# Altium PCB IoT_Greenhouse V1.0 A.PcbDoc (part 2 of 2)
Units mm, origin at the board's own origin, x right, y up, seen from the top; angles counter-clockwise.
Board outline 130 x 80 mm, 2 copper layers (Top Layer, Bottom Layer), stack 1.569 mm thick; 101 components, 50 nets, 357 pads, 105 vias.
Unrouted connection lines stored in the file: 343.
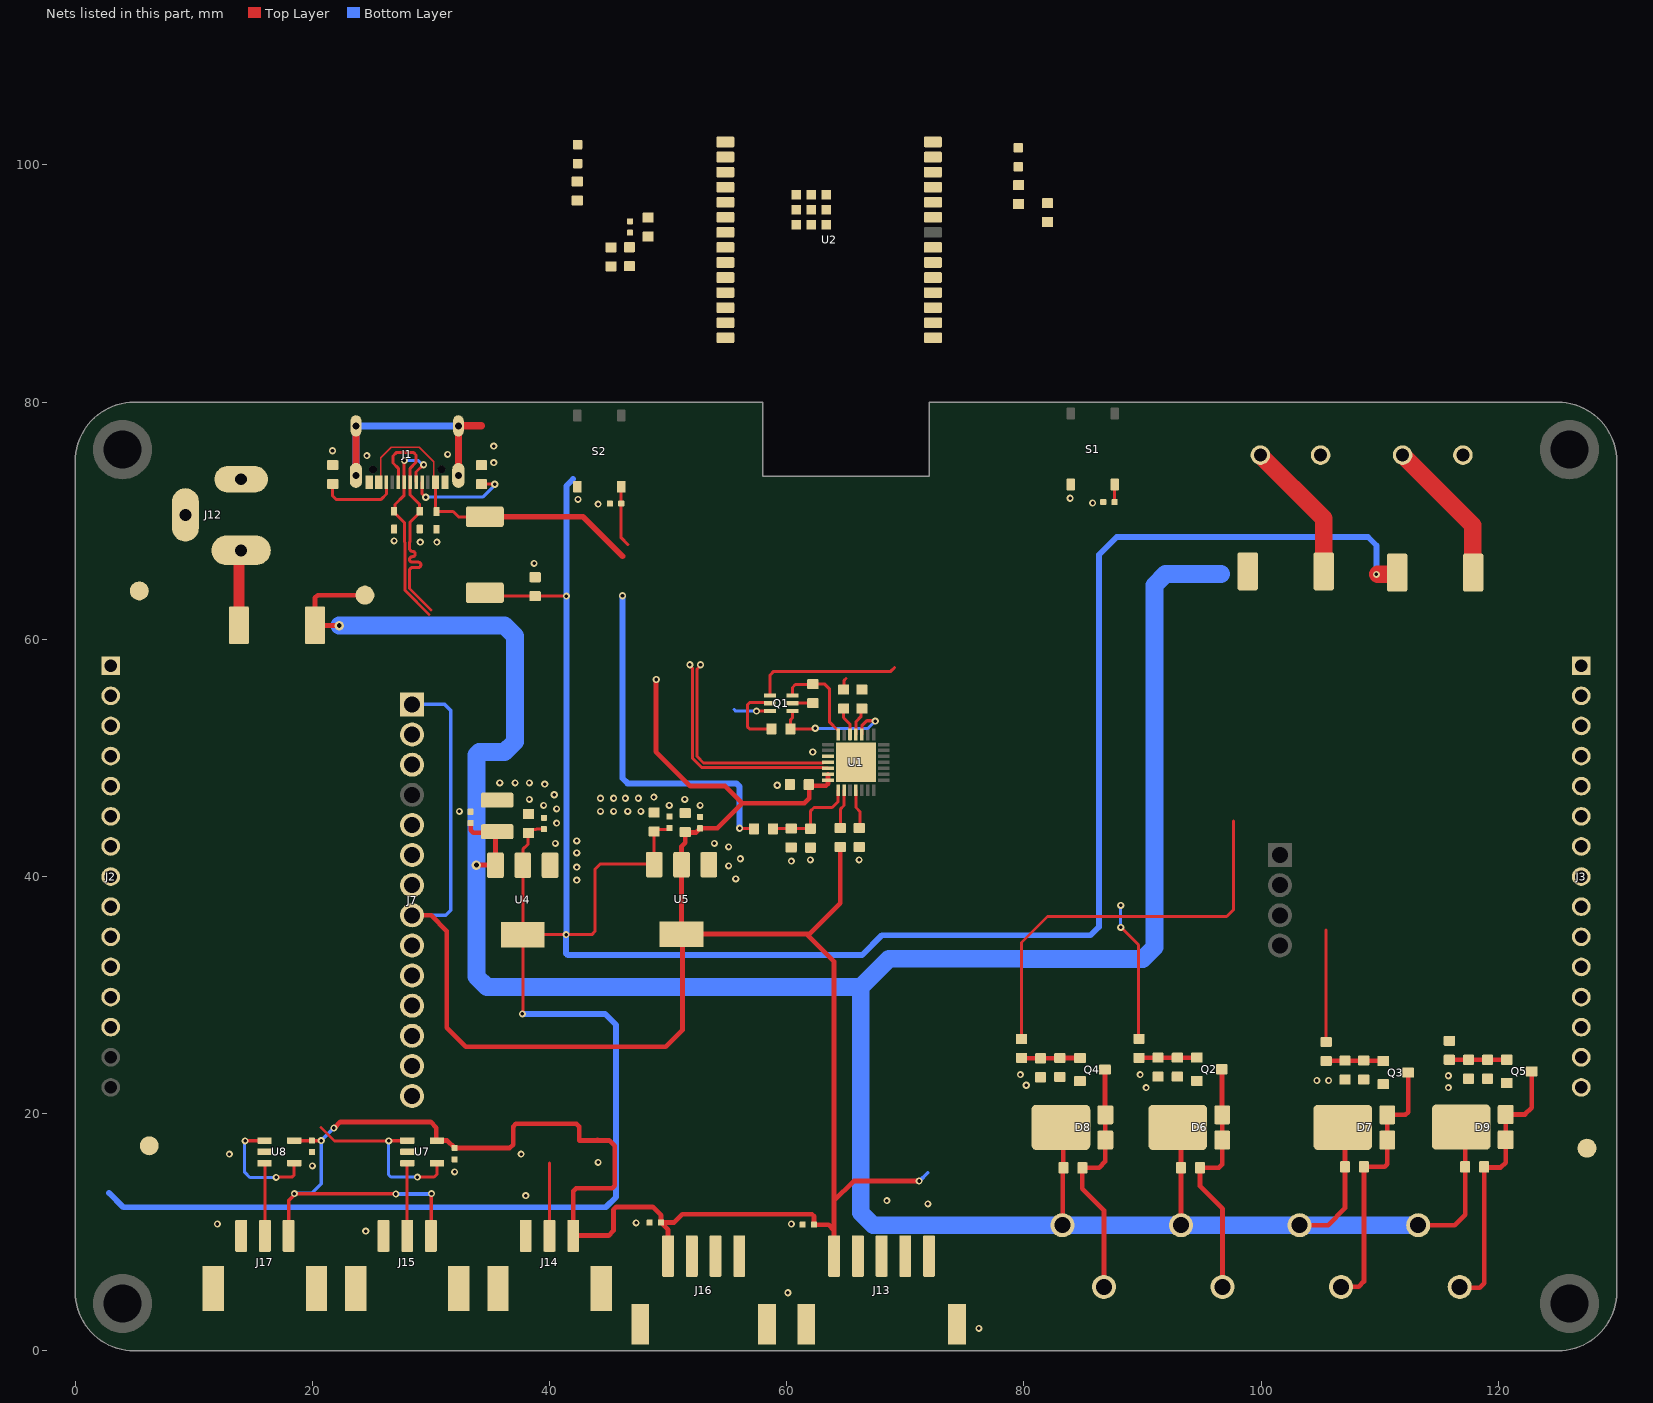
[diagram p2: the nets of this part, all layers, seen from the top]

## Part data (continued)
R15 R16 R17 R21: library part RES_10R_5%_100mW_0603, "SMD Chip Resistor, 10 Ohm, ± 5%, 100 mW, 0603 [1608 Metric], Thick Film, General Purpose", Case Code (Imperial)=0603, Case Code (Metric)=1608, Manufacturer=Yageo, Max Operating Temperature=155°C, Max Power Dissipation=100mW, Min Operating Temperature=-55°C, Resistance=10R, Resistance Tolerance=5%, Resistor Type="Thick Film", Supplier Part Number 1=311-10GRCT-ND, Temperature Coefficient=200ppm/°C, Voltage Rating=50V, Case/Package=0603, Category="Chip SMD Resistors", ComponentLink1Description=https://datasheet.ciiva.com/46395/443971-46395069.pdf?src-supplier=Element14, ComponentLink1URL=https://datasheet.ciiva.com/46395/443971-46395069.pdf?src-supplier=Element14, ComponentLink2Description=https://datasheet.ciiva.com/7746/443971-7746431.pdf?src-supplier=Element14, ComponentLink2URL=https://datasheet.ciiva.com/7746/443971-7746431.pdf?src-supplier=Element14, Construction=Rectangular, Depth=0.8mm, Features="Moisture Resistant", Lead Free="Lead Free", Length=1.6mm, Manufacturer Part Number=RC0603JR-0710RL, Military Standard=Not, Number of Pins=2, Number of Terminations=2, Packaging="Tape and Reel", Power Rating=100mW, Pricing 1="1=0.1, 10=0.024, 50=0.0154, 100=0.013, 500=0.00894, 1000=0.00773 (USD)", Reach SVHC Compliant=No, RoHS=Yes, RoHS Compliant=Yes, Series=RC, Size Code=0603, Stock 1=769777, Supplier 1=Digi-Key, Termination=SMD/SMT, Tolerance=5%, Voltage Rating (DC)=50V, Width=0.8mm
R18 R19 R20 R22: library part RES_100K_1%_100mW_0603, "RES SMD 100K OHM 1% 1/10W 0603", Case Code (Imperial)=0603, Case Code (Metric)=1608, Manufacturer=Yageo, Max Operating Temperature=155°C, Max Power Dissipation=100mW, Min Operating Temperature=-55°C, Resistance=100K, Resistance Tolerance=1%, Resistor Type="Thick Film", Supplier Part Number 1=311-100KHRDKR-ND, Temperature Coefficient=100ppm/°C, Voltage Rating=50V, Working Voltage=75V, Case/Package=0603, Category="Chip SMD Resistors", ComponentLink1Description=https://datasheet.ciiva.com/11808/0900766b80f96399-11808107.pdf?src-supplier=Rs, ComponentLink1URL=https://datasheet.ciiva.com/11808/0900766b80f96399-11808107.pdf?src-supplier=Rs, ComponentLink2Description=https://datasheet.ciiva.com/7983/443971-7983593.pdf?src-supplier=Element14, ComponentLink2URL=https://datasheet.ciiva.com/7983/443971-7983593.pdf?src-supplier=Element14, ComponentLink3Description=https://datasheet.ciiva.com/22747/443971-22747516.pdf?src-supplier=Element14, ComponentLink3URL=https://datasheet.ciiva.com/22747/443971-22747516.pdf?src-supplier=Element14, ComponentLink4Description=https://datasheet.ciiva.com/46440/1868787-46440889.pdf?src-supplier=Element14, ComponentLink4URL=https://datasheet.ciiva.com/46440/1868787-46440889.pdf?src-supplier=Element14, ComponentLink5Description=https://datasheet.ciiva.com/7746/1738695-7746235.pdf?src-supplier=Element14, ComponentLink5URL=https://datasheet.ciiva.com/7746/1738695-7746235.pdf?src-supplier=Element14, ComponentLink6Description=https://datasheet.ciiva.com/7746/1738695-7746234.pdf?src-supplier=Element14, ComponentLink6URL=https://datasheet.ciiva.com/7746/1738695-7746234.pdf?src-supplier=Element14, Construction=Rectangular, Depth=0.8mm, Features="Moisture Resistant", Height=0.45mm, Lead Free="Lead Free", Length=1.6mm, Manufacturer Part Number=RC0603FR-07100KL, Military Standard=Not, Number of Pins=2, Number of Terminations=2, Packaging="Tape and Reel", Power Rating=100mW, Pricing 1="1=0.10000, 10=0.01900, 100=0.00770, 1000=0.00345, 2500=0.00300 (USD)", Reach SVHC Compliant=Yes, RoHS=Yes, RoHS Compliant=Yes, Series=RC, Stock 1=11038732, Supplier 1=Digi-Key, Technology="THICK FILM", Termination=SMD/SMT, Tolerance=1%, Voltage Rating (DC)=50V, Width=0.8mm
R23: library part RES_130R_5%_100mW_0603, "Res Thick Film 0603 130 Ohm 5% 1/10W ±100ppm/°C Molded SMD SMD Paper T/R", Case Code (Imperial)=0603, Case Code (Metric)=1608, Manufacturer=Yageo, Max Operating Temperature=155°C, Max Power Dissipation=100mW, Min Operating Temperature=-55°C, Package Quantity=1, Resistence=130R, Resistor Type="Thick Film", Supplier Part Number 1=311-130GRCT-ND, Temperature Coefficient=100ppm/°C, Tolerance=5%, Voltage Rating=50V, Working Voltage=75V, Case/packcage=0603, Category="Chip SMD Resistors", ComponentLink1Description=https://datasheet.ciiva.com/2518/pyu-r-int-thick-7-2518866.pdf?src-supplier=Digi-Key, ComponentLink1URL=https://datasheet.ciiva.com/2518/pyu-r-int-thick-7-2518866.pdf?src-supplier=Digi-Key, ComponentLink2Description=https://datasheet.ciiva.com/2518/pyu-r-int-thick-7-2518865.pdf?src-supplier=Digi-Key, ComponentLink2URL=https://datasheet.ciiva.com/2518/pyu-r-int-thick-7-2518865.pdf?src-supplier=Digi-Key, ComponentLink3Description=https://datasheet.ciiva.com/8887/pyu-rc0603-51-rohs-l-4-8887501.pdf?src-supplier=Avnet, ComponentLink3URL=https://datasheet.ciiva.com/8887/pyu-rc0603-51-rohs-l-4-8887501.pdf?src-supplier=Avnet, Construction=Rectangular, Contact Plating=Tin,Matte, Depth=0.8mm, Features="Moisture Resistant", Height=0.022inch, Lead Free="Lead Free", Length=0.063inch, Manufacturer Part Number=RC0603JR-07130RL, Military Standard=Not, Number of Terminations=2, Packaging="Tape and Reel", Power Rating=100mW, Pricing 1="1=0.10000, 10=0.01600, 100=0.00640, 1000=0.00286, 2500=0.00248 (USD)", Radiation Hardening=No, RoHS=Yes, RoHS Compliant=Yes, Series=RC, Stock 1=487963, Supplier 1=Digi-Key, Supplier 2=Mouser, Supplier 3=Avnet, Supplier Part Number 2=603-RC0603JR-07130RL, Supplier Part Number 3=RC0603JR-07130RL, Termination=SMD/SMT, Voltage Rating (DC)=50V, Width=0.031inch
S1 S2: library part SWITCH_NO_SPST_0.05A, "Switch Tactile N.O. SPST Round Button Gull Wing 0.05A 12VDC 200000Cycles 2.55N SMD T/R", Manufacturer="ITT C&K", Supplier Part Number 1=CKN12221-6-ND, Category=Uncategorized, Manufacturer Part Number=PTS526SK15SMTR2LFS, Pricing 1="1=0.12, 10=0.12, 25=0.114, 100=0.1035, 250=0.09732, 500=0.08904, 1000=0.07454 (USD)", RoHS=No, Stock 1=382158, Supplier 1=Digi-Key
TP1 TP2 TP3 TP4: library part TP_PAD_SMD_Round, "Test Point, SMD pad, round, 1.5mm, 1.6mm, 3mm diameter"
U1: library part IC_BRIDGE_UART_CP2102N-A02-GQFN28R, "Full Speed USB to UART Bridge USB 2.0 3.3V T/R Automotive 28-Pin QFN EP", Case/Package=QFN, Manufacturer="Silicon Labs", Max Operating Temperature=85°C, Min Operating Temperature=-40°C, Operating Supply Current=9.5mA, Supplier Part Number 1=336-5890-1-ND, Category="USB Interface ICs", ComponentLink1Description=https://www.silabs.com/documents/public/data-sheets/cp2102n-datasheet.pdf?src-supplier=Digikey, ComponentLink1URL=https://www.silabs.com/documents/public/data-sheets/cp2102n-datasheet.pdf?src-supplier=Digikey, ComponentLink2Description=https://4donline.ihs.com/images/VipMasterIC/IC/SILC/SILC-S-A0007770867/SILC-S-A0007770867-1.pdf?hkey=6D3A4C79FDBF58556ACFDE234799DDF0&src-supplier=Farnell, ComponentLink2URL=https://4donline.ihs.com/images/VipMasterIC/IC/SILC/SILC-S-A0007770867/SILC-S-A0007770867-1.pdf?hkey=6D3A4C79FDBF58556ACFDE234799DDF0&src-supplier=Farnell, Interface=UART, Manufacturer Part Number=CP2102N-A02-GQFN28R, Packaging="Cut Tape", Pricing 1="1=4.66, 10=4.183, 25=3.954, 100=3.4269, 250=3.2512, 500=2.91728 (USD)", RoHS=Yes, Series=USBXpress™, Stock 1=29620, Supplier 1=Digikey
U2: library part IC_MODULE_ESP32-C6-WROOM-1-N4, "ESP32-C6-WROOM-1-N4 Engineering Module - 4 MB Quad SPI Flash", Manufacturer="Espressif Systems", Supplier Part Number 1=1965-ESP32-C6-WROOM-1-N4CT-ND, Category=LDO, Manufacturer Part Number=ESP32-C6-WROOM-1-N4, Pricing 1="1=2.85 (USD)", RoHS=No, Stock 1=4715, Supplier 1=Digikey
U4: library part IC_REG_LDO_5V_1A_AZ1117IH-5.0TRG1, "LDO Regulator Pos 5V 1A 3-Pin SOT-223 T/R", Case/Package=TO-261-4, Dropout Voltage=1.2V, Manufacturer=Diodes, Max Operating Temperature=125°C, Min Current Limit=1A, Min Operating Temperature=-40°C, Output Current=800mA, Output Voltage=5V, Supplier Part Number 1=AZ1117IH-5.0TRG1DIDKR-ND, Category="Voltage Regulators - Linear", ComponentLink1Description=https://www.diodes.com/assets/Datasheets/AZ1117I.pdf?src-supplier=Digi-Key, ComponentLink1URL=https://www.diodes.com/assets/Datasheets/AZ1117I.pdf?src-supplier=Digi-Key, Manufacturer Part Number=AZ1117IH-5.0TRG1, Mount="Surface Mount", Number of Regulators=1, Packaging="Tape and Reel", Pricing 1="1=0.40000, 10=0.32100, 25=0.29360, 100=0.21840, 250=0.19796, 500=0.16384, 1000=0.12288 (USD)", RoHS=Yes, RoHS Compliant=Yes, Stock 1=138078, Supplier 1=Digi-Key
U5: library part IC_REG_LDO_3.3V_1A_AP2114H-3.3TRG1, "IC REG LDO 3.3V 1A SOT223", Manufacturer=Diodes, Supplier Part Number 1=AP2114H-3.3TRG1DICT-ND, Category="Voltage Regulators - Linear", ComponentLink1Description=https://datasheet.ciiva.com/29569/ap2114-29569881.pdf?src-supplier=Digikey, ComponentLink1URL=https://datasheet.ciiva.com/29569/ap2114-29569881.pdf?src-supplier=Digikey, ComponentLink2Description=https://datasheet.ciiva.com/29569/ap2114-29569882.pdf?src-supplier=Digikey, ComponentLink2URL=https://datasheet.ciiva.com/29569/ap2114-29569882.pdf?src-supplier=Digikey, ComponentLink3Description=https://datasheet.ciiva.com/29569/ap2114-29569883.pdf?src-supplier=Digikey, ComponentLink3URL=https://datasheet.ciiva.com/29569/ap2114-29569883.pdf?src-supplier=Digikey, Manufacturer Part Number=AP2114H-3.3TRG1, Pricing 1="1=0.41, 10=0.332, 25=0.304, 100=0.2262, 250=0.20504, 500=0.16968, 1000=0.12726 (USD)", RoHS=Yes, Stock 1=34610, Supplier 1=Digikey
U7 U8: library part IC_AMP_OP_TLV2371IDBVT, "Single 550-uA/channel, 3MHz, RRIO op amp 5-SOT-23 -40 to 125", Case/Package=SOT-23, Dual Supply Voltage=5V, Input Bias Current=60pA, Input Offset Voltage (Vos)=4.5mV, Manufacturer="Texas Instruments", Max Dual Supply Voltage=8V, Max Operating Temperature=125°C, Max Supply Voltage=16V, Min Dual Supply Voltage=1.35V, Min Operating Temperature=-40°C, Min Supply Voltage=2.7V, Operating Supply Current=750uA, Output Current=16mA, Package Quantity=1, Power Dissipation=385mW, Power Supply Rejection Ratio (PSRR)=70dB, Supplier Part Number 1=296-26785-6-ND, Supply Current=900uA, Voltage Gain=110dB, Amplifier Type="GENERAL PURPOSE", Bandwidth=3MHz, Category="Amplifiers - Op Amps, Buffer, Instrumentation", Common Mode Rejection Ratio=50dB, ComponentLink1Description=https://datasheet.ciiva.com/34301/1096243-34301979.pdf?src-supplier=Jameco, ComponentLink1URL=https://datasheet.ciiva.com/34301/1096243-34301979.pdf?src-supplier=Jameco, ComponentLink2Description=https://datasheet.ciiva.com/1813/tlv2370-1813657.pdf?src-supplier=Digikey, ComponentLink2URL=https://datasheet.ciiva.com/1813/tlv2370-1813657.pdf?src-supplier=Digikey, ComponentLink3Description=https://datasheet.ciiva.com/1813/tlv2370-1813658.pdf?src-supplier=Digikey, ComponentLink3URL=https://datasheet.ciiva.com/1813/tlv2370-1813658.pdf?src-supplier=Digikey, ComponentLink4Description=https://datasheet.ciiva.com/1813/tlv2370-1813659.pdf?src-supplier=Digikey, ComponentLink4URL=https://datasheet.ciiva.com/1813/tlv2370-1813659.pdf?src-supplier=Digikey, ComponentLink5Description=https://datasheet.ciiva.com/2974/slos270d-2974406.pdf?src-supplier=Avnet, ComponentLink5URL=https://datasheet.ciiva.com/2974/slos270d-2974406.pdf?src-supplier=Avnet, ComponentLink6Description=https://datasheet.ciiva.com/2974/slos270d-2974407.pdf?src-supplier=Avnet, ComponentLink6URL=https://datasheet.ciiva.com/2974/slos270d-2974407.pdf?src-supplier=Avnet, ComponentLink7Description=https://datasheet.ciiva.com/22707/1877122-22707949.pdf?src-supplier=Element14, ComponentLink7URL=https://datasheet.ciiva.com/22707/1877122-22707949.pdf?src-supplier=Element14, ComponentLink8Description=https://datasheet.ciiva.com/46386/1877122-46386527.pdf?src-supplier=Element14, ComponentLink8URL=https://datasheet.ciiva.com/46386/1877122-46386527.pdf?src-supplier=Element14, ComponentLink9Description=https://datasheet.ciiva.com/7848/1877122-7848285.pdf?src-supplier=Element14, ComponentLink9URL=https://datasheet.ciiva.com/7848/1877122-7848285.pdf?src-supplier=Element14, Gain Bandwidth Product=3MHz, Height=1.15mm, Lead Free="Lead Free", Length=2.9mm, Manufacturer Part Number=TLV2371IDBVT, Max I/O Voltage=4.5mV, Nominal Gain Bandwidth Product=3MHz, Number of Amplifiers=1, Number of Channels=1, Number of Circuits=1, Number of Elements=1, Number of Pins=5, Operating Supply Voltage=8V, Output Current per Channel=16mA, Packaging="Tape and Reel", Pricing 1="1=1.65, 10=1.483, 25=1.3988, 100=1.1918 (USD)", Radiation Hardening=No, Reach SVHC Compliant=No, RoHS=Yes, RoHS Compliant=Yes, Series=-, Slew Rate=2.4V/µs, Stock 1=25753, Supplier 1=Digikey, Unity Gain Bandwidth Product=3MHz, Width=1.6mm

## Via types
v1: diameter 0.6, hole 0.3, Top Layer to Bottom Layer, tented both sides, 103 vias
v2: diameter 0.8, hole 0.4, Top Layer to Bottom Layer, tented both sides, 2 vias

## Nets (pads, with @x,y where several pads share a name; then routed paths per layer and width w, separated by ;. In a path a pad name is that pad's centre, name@x,y a point inside that pad or via, vN(x,y) a via of type N, cw(c..) or ccw(c..) an arc to the next point about the centre after c; other vN are vias at no path point)
3V3: C2.2 C5.2 C6.2 C23.2 C24.2 C26.2 C27.2 C28.2 C29.2 J2.1 J7.1 J7.8 J13.1 J14.1 J15.1 J16.1 J17.1 R10.2 R13.1 R14.1 TP3.1 U1.6 U1.7 U2.2 U5.2 U5.4 U7.5 U8.5 | length 257.4
  Top Layer w0.3: J17.1@18,9.7 18,12.689 18.491,13.181 v1(18.491,13.259) v1@27.102,13.259 ; U8.5@18.49,17.758 U8.5@18.471,17.739 18.478,17.733 19.958,17.733 19.963,17.728 20.751,17.728 v1(20.752,17.729) ; J15.1@30,9.7 30.024,9.724 30.024,13.235 v1(30.048,13.259)
  Top Layer w0.4: v1(21.819,18.796) 21.863,18.796 22.371,19.304 29.972,19.304 30.455,18.821 30.455,17.796 30.514,17.737 31.384,17.737 C26.2@32.004,17.117 ; J7.8@28.41,36.73 30.021,36.73 31.344,35.408 31.344,27.254 32.944,25.654 49.809,25.654 51.206,27.051 51.206,35.073 U5.4@51.13,35.15 ; C26.2@32.029,17.063 32.029,17.088 32.058,17.117 36.65,17.117 36.932,17.399 36.932,18.917 37.166,19.152 42.265,19.152 42.5,18.917 42.5,17.746 ; J14.1@42,9.7 42,13.482 42.234,13.716 45.288,13.716 45.491,13.919 45.491,17.297 45.037,17.752 44.066,17.752 44.044,17.729 ; J14.1@42.113,9.728 44.983,9.728 45.39,10.135 45.39,11.907 45.624,12.141 48.692,12.141 49.4,11.433 C29.2@49.4,10.82 50,10.221 J16.1@50,8 ; 42.5,17.739 42.5,17.746 ; 44.044,17.805 43.984,17.746 42.5,17.746 ; v1@48.971,56.642 48.971,50.521 51.867,47.625 54.813,47.625 56.261,46.177 ; C29.2@49.479,10.795 49.504,10.82 50.495,10.82 51.206,11.532 62.128,11.532 62.304,11.356 C27.2@62.304,10.643 63.525,10.643 63.983,10.185 ; C24.2@51.435,43.586 51.435,42.85 51.13,42.545 U5.2@51.13,41 U5.4@51.13,35.15 ; C24.2@51.486,43.713 52.347,43.713 C23.2@52.705,44.072 54.155,44.072 56.261,46.177 ; C2.2@61.874,47.752 C2.2@61.9,47.727 ; U1.7@63.487,48.132 63.487,47.826 63.311,47.65 61.976,47.65 C2.2@61.9,47.727 ; U1.7@63.487,48.196 U1.6@63.487,48.632 ; J13.1@63.983,8.204 63.983,10.185 ; J13.1@64,8 J13.1@64,8.204 ; R10.2@64.516,42.507 64.516,37.744 61.921,35.15 61.675,35.15 ; v1(71.171,14.326) 65.659,14.326 63.983,12.649 ; U5.4@51.13,35.15 61.675,35.15 ; 56.261,46.177 61.493,46.177 61.9,46.584 C2.2@61.9,47.727 ; 61.675,35.15 63.983,32.842 63.983,12.649 ; 63.983,10.185 63.983,12.649
  Bottom Layer w0.3: v1@18.466,13.284 19.939,13.284 20.752,14.097 v1(20.752,17.729) ; v1@20.803,17.704 20.803,17.78 v1(21.819,18.796) ; v1(27.051,13.233) v1@30.048,13.233 ; J7.8@28.41,36.73 31.244,36.73 31.674,37.16 31.674,54 31.164,54.51 J7.1@28.41,54.51 ; v1@71.196,14.326 71.882,15.011
  other v1: 48.997,56.617
5V: C1.2 C19.2 C20.2 C21.2 C22.2 D1.1 D12.1 J3.1 R23.1 TP2.1 U4.2 U4.4 U5.3 | length 257
  Top Layer w0.254: D1.1@34.544,63.927 34.831,63.64 C1.2@38.786,63.64 38.792,63.646 41.421,63.646 v1(41.427,63.652) ; U4.2@37.694,40.869 37.744,40.818 U4.4@37.744,35.099 ; v1@37.744,28.362 U4.4@37.744,35.099 ; U4.2@37.744,40.949 37.744,42.291 38.202,42.748 C19.2@38.202,43.764 ; C19.2@38.227,43.675 38.525,43.973 38.868,43.973 38.887,43.993 C20.2@39.472,43.993 ; U5.3@48.743,41.072 44.298,41.072 43.84,40.615 43.84,35.382 43.561,35.103 37.748,35.103 U4.4@37.744,35.099 ; U5.3@48.819,41.072 C21.2@48.819,43.802 ; C21.2@48.844,43.739 49.075,43.97 49.987,43.97 C22.2@50.114,44.097 ; D12.1@111.332,65.489 D12.1@111.476,65.634
  Top Layer w1.5: v1@109.83,65.489 D12.1@111.332,65.489
  Bottom Layer w0.5: 2.87,13.31 4.064,12.116 44.755,12.116 45.618,12.979 45.618,27.483 44.679,28.423 v1(37.719,28.423) ; 41.986,73.508 41.427,72.949 v1(41.427,63.652) 41.415,63.64 41.415,35.116 v1(41.402,35.103) 41.402,33.524 41.551,33.376 66.345,33.376 68.021,35.052 85.623,35.052 86.335,35.763 86.335,67.132 87.833,68.631 109.017,68.631 109.728,67.92 v1(109.728,65.481)
12V: C9.2 C10.2 C11.2 C15.2 C17.2 C18.2 D6.K D7.K D8.K D9.K D10.1 D11.1 J4.1 J5.1 J6.1 J8.1 TP1.1 U4.3 | length 264.5
  Top Layer w0.4: v2(22.276,61.163) 20.248,61.163 D11.1@20.223,61.189 20.223,63.494 20.457,63.729 TP1.1@24.435,63.729 ; C18.2@33.35,44.503 33.35,43.922 33.585,43.688 C17.2@35.484,43.688 ; v2(33.833,40.97) 34.976,40.97 U4.3@35.255,41.25 ; U4.3@35.444,41.25 35.444,43.639 C17.2@35.585,43.78 ; D8.K@83.118,18.845 83.325,18.638 C11.2@83.325,15.443 83.287,15.406 83.287,10.637 J6.1@83.25,10.6 ; D6.K@92.973,18.845 93.256,18.562 C9.2@93.256,15.443 93.253,15.44 93.253,10.603 J4.1@93.25,10.6 ; D10.1@98.649,65.507 D10.1@98.878,65.735 ; J5.1@103.25,10.6 105.647,10.6 107.074,12.027 C10.2@107.074,15.519 107.074,18.664 D7.K@106.892,18.845 ; J8.1@113.25,10.6 116.315,10.6 117.208,11.494 C15.2@117.208,15.519 117.208,18.537 D9.K@116.875,18.87
  Bottom Layer w1.5: v2(22.276,61.163) 36.205,61.163 37.084,60.285 37.084,51.374 36.205,50.495 34.067,50.495 33.833,50.261 v2(33.833,40.97) 33.833,31.572 34.722,30.683 66.243,30.683 ; 79.883,33.045 90.018,33.045 91.008,34.036 91.008,64.567 91.948,65.507 96.622,65.507 ; 79.934,33.071 68.631,33.071 66.243,30.683 ; J6.1@83.236,10.465 83.101,10.6 67.302,10.6 66.243,11.659 66.243,30.683 ; J6.1@83.25,10.6 93.099,10.6 J4.1@93.193,10.693 ; J4.1@93.25,10.6 103.132,10.6 J5.1@103.149,10.617 ; J5.1@103.25,10.6 J8.1@113.25,10.6 113.403,10.6 J8.1@113.462,10.541
AIN_1: J15.2 U7.3 | length 6.1
  Top Layer w0.254: J15.2@28,9.7 28,15.829 U7.3@28.011,15.839
AIN_2: J17.2 U8.3 | length 6.2
  Top Layer w0.254: U8.3@15.971,15.839 16,15.811 J17.2@16,9.7
CHIP_PU: C4.2 C8.1 J2.12 Q1.3 R13.2 S2.3 U2.3 | length 8.2
  Top Layer w0.254: S2.3@46.047,72.869 46.047,71.451 46.048,68.557 46.622,67.983 ; v1(57.455,53.95) 57.46,53.955 58.577,53.955 Q1.3@58.583,53.96
  Bottom Layer w0.254: 55.55,54.098 55.699,53.95 v1(57.455,53.95)
DM_N: D2.1 J1.A7 J1.B7 U1.5 | length 37.9
  Top Layer w0.254: v1@27.737,75.108 27.75,75.095 J1.A7@27.75,73.25 27.75,72.149 26.966,71.366 26.966,70.871 D2.1@26.899,70.803 26.899,70.693 27.788,69.804 27.788,68.195 27.813,68.17 27.813,64.13 29.84,62.103 ; J1.B7@28.75,73.25 28.75,74.114 v1@29.369,74.734 ; v1(51.841,57.861) 51.841,57.768 52.07,57.539 52.07,49.956 52.835,49.191 63.077,49.191 63.137,49.132 U1.5@63.487,49.132
  Bottom Layer w0.254: v1(27.762,75.082) 28.939,75.082 29.269,74.752 v1@29.413,74.752
  other v1: 29.388,74.727
DM_P: D3.1 J1.A6 J1.B6 U1.4 | length 40.5
  Top Layer w0.254: J1.B6@27.25,73.25 27.25,74.426 26.797,74.879 26.797,75.463 27.076,75.743 28.547,75.743 28.75,75.54 28.75,74.926 ; 28.753,74.905 28.729,74.905 28.25,74.426 J1.A6@28.25,73.25 28.25,72.182 29.028,71.404 29.028,70.833 D3.1@29.058,70.803 29.058,70.693 28.219,69.855 28.219,68.364 28.219,68.229 28.194,68.203 28.194,67.675 ccw(c28.448,67.675) 28.448,67.421 cw(c28.448,67.194) 28.448,66.967 28.421,66.967 ccw(c28.421,66.74) 28.421,66.513 28.927,66.513 cw(c28.927,66.286) 28.927,66.059 28.448,66.059 ccw(c28.448,65.805) 28.194,65.805 28.194,65.224 28.194,64.287 29.997,62.484 ; v1(52.73,57.861) 52.73,57.787 52.451,57.508 52.451,50.114 52.993,49.572 63.077,49.572 63.137,49.632 U1.4@63.487,49.632
DTR: Q1.6 R3.2 U1.28 | length 7.7
  Top Layer w0.254: Q1.6@60.493,55.26 60.493,55.946 60.731,56.185 R3.2@62.128,56.185 ; R3.2@62.205,56.223 63.208,56.223 63.627,55.804 63.627,53.01 U1.28@64.287,52.349
G_FAN: C12.2 Q2.1 R15.2 R18.2 | length 4.9
  Top Layer w0.4: R15.2@89.713,24.714 89.719,24.72 91.307,24.72 R18.2@91.313,24.727 C12.2@92.939,24.727 C12.2@92.939,24.727 94.58,24.728 Q2.1@94.581,24.729
G_HET: C13.2 Q3.1 R16.2 R19.2 | length 4.8
  Top Layer w0.4: R16.2@105.486,24.448 105.499,24.46 107.074,24.46 R19.2@107.086,24.473 C13.2@108.661,24.473 108.673,24.461 110.292,24.461 Q3.1@110.304,24.45
G_PUMP: C14.2 Q4.1 R17.2 R20.2 | length 4.9
  Top Layer w0.4: R17.2@79.807,24.702 79.82,24.689 81.394,24.689 R20.2@81.407,24.676 81.42,24.689 83.02,24.689 C14.2@83.033,24.701 C14.2@83.033,24.701 84.725,24.703 Q4.1@84.726,24.704
GND: C1.1 C2.1 C3.1 C4.1 C5.1 C6.1 C7.2 C8.2 C12.1 C13.1 C14.1 C16.1 C17.1 C18.1 C19.1 C20.1 C21.1 C22.1 C23.1 C24.1 C26.1 C27.1 C28.1 C29.1 D2.2 D3.2 D4.2 D5.1 D13.1 J1.A1_B12 J1.B1_A12 J1.SH1 J1.SH2 J1.SH3 J1.SH4 J2.2 J3.2 J7.2 J10.2 J11.2 J12.2 J12.3 J13.0 J13.2 J13.5 J14.3 J14.SH J15.3 J15.SH J16.0 J16.2 J17.3 J17.SH Q2.2 Q3.2 Q4.2 Q5.2 R5.1 R6.1 R8.2 R11.1 R18.1 R19.1 R20.1 R22.1 S1.1 S2.1 TP4.1 U1.3 U1.29 U2.1 U2.28 U2.29 U2.30 U2.31 U2.32 U2.33 U2.34 U2.35 U2.36 U2.37 U4.1 U5.1 U7.2 U8.2 | length 27.5
  Top Layer w0.254: J1.SH3@32.233,78.003 J1.SH3@32.245,78.016
  Top Layer w0.6: J1.SH2@23.68,73.82 J1.SH4@23.68,78 ; J1.SH3@32.245,78.016 34.265,78.016 ; J1.SH1@32.32,73.82 J1.SH3@32.32,78
  Bottom Layer w0.3: J1.SH4@23.597,78.054 J1.SH4@23.68,77.971 ; J1.SH3@32.128,78 J1.SH3@32.182,78.054 ; J1.SH1@32.233,73.736 J1.SH1@32.32,73.824
  Bottom Layer w0.6: J1.SH2@23.68,73.82 J1.SH4@23.68,77.971 ; J1.SH4@23.68,78 J1.SH3@32.128,78 ; J1.SH1@32.32,73.824 J1.SH3@32.32,78
  other v1: 76.2,1.9 60.1,4.9 24.5,10.1 12,10.7 60.4,10.7 47.3,10.8 71.9,12.4 38,13.1 32,15.1 20,15.6 44.1,15.9 13,16.6 37.6,16.6 90.3,22.2 115.8,22.2 80.2,22.4 104.7,22.8 105.7,22.8 115.8,23.2 79.7,23.3 89.8,23.3 42.3,39.7 55.7,39.8 42.3,40.8 55.1,40.9 60.4,41.3 62,41.4 66.1,41.4 56.1,41.5 42.3,42 55.1,42.5 40.5,42.8 53.9,42.8 42.3,43 40.6,44.5 32.4,45.5 44.3,45.5 45.4,45.5 46.6,45.5 47.7,45.5 40.6,45.7 39.5,46 50.1,46 52.7,46 38.3,46.5 51.4,46.5 44.3,46.6 45.4,46.6 46.4,46.6 47.5,46.6 48.8,46.7 40.4,46.9 59.2,47.7 39.6,47.8 35.8,47.9 37.1,47.9 38.3,47.9 62.2,50.5 38.7,66.4 29.1,68.2 30.5,68.2 26.9,68.3 44.1,71.4 85.8,71.5 42.4,71.8 83.9,71.9 35.3,74.9 24.6,75.5 31.4,75.6 21.7,75.9 35.3,76.3
GPIO0: J2.3 U2.8
GPIO1: J2.4 U2.9
GPIO2: J2.5 J2.6 J2.7 J2.8 J3.3 J3.4 J3.5 J3.6 J14.2 J16.3 J16.4 R15.1 R16.1 R17.1 R21.1 U2.4 U2.5 U2.18 U2.19 U2.20 U2.21 U2.26 U2.27 U7.1 U7.4 U8.1 U8.4 | length 41.3
  Top Layer w0.254: v1(14.326,17.704) 14.343,17.722 15.953,17.722 U8.1@15.971,17.739 ; v1@16.815,14.681 18.313,14.681 18.471,14.839 U8.4@18.471,15.839 ; 20.726,18.847 21.869,17.704 v1@26.416,17.704 ; v1(26.441,17.704) 26.459,17.722 27.993,17.722 U7.1@28.011,17.739 ; v1(28.854,14.656) 30.277,14.656 30.511,14.89 U7.4@30.511,15.839 ; J14.2@40,9.7 40,15.839 ; R16.1@105.486,26.048 105.486,35.509
  Bottom Layer w0.254: v1@14.313,17.716 v1(14.326,17.704) 14.3,17.678 14.3,15.062 14.732,14.63 v1(16.942,14.63) ; v1(26.441,17.704) 26.416,17.704 26.416,14.859 26.619,14.656 v1(28.854,14.656)
GPIO6: J2.9 J13.4 U2.6
GPIO7: J2.13 J13.3 U2.7
GPIO8: J3.15 R12.1 R14.2 U2.10
GPIO9: C7.1 J3.14 J7.5 Q1.1 S1.3 U2.15 | length 14
  Top Layer w0.254: Q1.1@58.583,55.26 58.583,56.982 58.903,57.302 68.783,57.302 69.088,57.607 ; C7.1@87.653,71.577 C7.1@87.653,71.577 87.654,73.049 S1.3@87.655,73.05
  other v1: 68.453,12.675
GPIO10: J3.13 J7.3 U2.11 | length 11.8
  Top Layer w0.254: v1@88.183,35.718 89.662,34.239 89.662,26.365
  Top Layer w0.4: 89.662,26.365 89.713,26.314
  Bottom Layer w0.254: v1(88.163,35.712) v1@88.163,37.484
  other v1: 88.163,37.567
GPIO11: J3.12 J7.6 J7.12 U2.12
GPIO12: J3.11 J7.7 J7.10 U2.13
GPIO13: J3.10 J7.9 J7.13 U2.14
GPIO15: J3.9 J7.14 U2.23
GPIO18: J3.8 J7.11 U2.16
GPIO19: J3.7 U2.17 | length 34.6
  Top Layer w0.254: 79.807,26.302 79.807,34.442 81.991,36.627 97.104,36.627 97.663,37.186 97.663,44.679
NetC3_2: C3.2 R9.2 R11.2 U1.8 | length 8
  Top Layer w0.254: R9.2@59.03,44.018 59.068,44.056 R11.2@60.376,44.056 ; R11.2@60.427,44.018 60.452,44.043 61.989,44.043 C3.2@62.001,44.031 ; C3.2@62.027,44.094 62.027,45.542 62.306,45.822 63.83,45.822 64.337,46.328 U1.8@64.337,47.282
NetC9_1: C9.1 D6.A J4.2 Q2.3 | length 20.9
  Top Layer w0.4: Q2.3@96.681,23.749 96.702,23.728 96.702,19.931 D6.A@96.723,19.91 D6.A@96.723,17.78 96.723,15.723 96.444,15.443 C9.1@94.856,15.443 94.856,13.881 96.75,11.987 J4.2@96.75,5.4
NetC10_1: C10.1 D7.A J5.2 Q3.3 | length 23.2
  Top Layer w0.4: J5.2@106.75,5.4 108.219,5.4 108.674,5.855 C10.1@108.674,15.519 110.408,15.519 110.642,15.754 D7.A@110.642,17.78 D7.A@110.642,19.91 112.169,19.91 112.404,20.144 Q3.3@112.404,23.47
NetC11_1: C11.1 D8.A J6.2 Q4.3 | length 20.7
  Top Layer w0.4: J6.2@86.75,5.4 86.75,11.853 84.925,13.678 C11.1@84.925,15.443 86.335,15.443 86.868,15.977 D8.A@86.868,17.78 D8.A@86.868,19.91 86.847,19.931 86.847,23.703 Q4.3@86.826,23.724
NetC15_1: C15.1 D9.A J8.2 Q5.3 | length 23.6
  Top Layer w0.4: J8.2@116.75,5.4 116.816,5.334 118.44,5.334 118.808,5.702 C15.1@118.808,15.519 118.859,15.469 120.218,15.469 120.625,15.875 D9.A@120.625,17.805 D9.A@120.625,19.935 122.247,19.935 122.818,20.506 Q5.3@122.818,23.571
NetC16_2: C16.2 Q5.1 R21.2 R22.2 | length 4.8
  Top Layer w0.4: R21.2@115.875,24.549 R22.2@117.5,24.549 ; R22.2@117.5,24.549 C16.2@119.101,24.549 C16.2@119.101,24.549 120.716,24.55 Q5.1@120.718,24.551
NetD5_2: D5.2 R12.2
NetD10_2: D10.2 J10.1 | length 12
  Top Layer w1.5: J10.1@99.937,75.534 105.288,70.184 D10.2@105.288,65.735
NetD11_2: D11.2 J12.1 | length 6.4
  Top Layer w0.9: D11.2@13.813,61.189 13.813,67.313 J12.1@14,67.5
NetD12_2: D12.2 J11.1 | length 12.4
  Top Layer w0.9: D12.2@117.856,65.664 D12.2@117.886,65.634
  Top Layer w1.5: J11.1@111.937,75.534 117.856,69.615 D12.2@117.856,65.664
NetD13_2: D13.2 R23.2
NetJ1_A5: J1.A5 R6.2 | length 8.9
  Top Layer w0.254: J1.A5@29.25,73.25 29.25,72.274 v1@29.616,71.907 ; R6.2@34.265,73.089 34.271,73.082 35.376,73.082 v1(35.382,73.076)
  Bottom Layer w0.254: v1(29.566,71.984) 34.366,71.984 35.382,73 v1(35.382,73.076)
NetJ1_B5: J1.B5 R5.2 | length 6.8
  Top Layer w0.254: R5.2@21.717,73.089 21.717,72.085 21.996,71.806 25.806,71.806 26.25,72.249 J1.B5@26.25,73.25
NetQ1_2: Q1.2 R4.1 | length 5.9
  Top Layer w0.254: Q1.2@58.598,54.61 58.545,54.663 56.863,54.663 56.715,54.514 56.715,52.6 56.863,52.451 R4.1@58.712,52.451
NetQ1_5: Q1.5 R3.1 | length 1.9
  Top Layer w0.254: Q1.5@60.493,54.61 60.499,54.616 62.363,54.616 R3.1@62.382,54.635
NetR1_2: R1.2 U1.26 | length 2.4
  Top Layer w0.254: R1.2@64.795,54.204 R1.2@64.795,54.166 64.795,53.391 65.337,52.849 U1.26@65.337,51.982
NetR2_2: R2.2 U1.25 | length 2.4
  Top Layer w0.254: U1.25@65.837,51.982 65.837,53.061 66.285,53.508 66.285,54.169 R2.2@66.294,54.178
NetR8_1: R8.1 U1.11 | length 3.2
  Top Layer w0.254: U1.11@65.837,47.282 65.837,45.822 66.167,45.491 R8.1@66.167,44.196
NetR10_1: R10.1 U1.9 | length 3.3
  Top Layer w0.254: R10.1@64.516,44.107 64.516,45.669 64.837,45.99 U1.9@64.837,47.282
RTS: Q1.4 R4.2 U1.24 | length 11.1
  Top Layer w0.254: R4.2@60.223,52.349 60.3,52.426 60.3,53.188 60.493,53.381 Q1.4@60.493,53.96 ; R4.2@60.312,52.451 62.408,52.451 v1@62.433,52.476 ; U1.24@66.337,51.982 66.337,52.722 66.751,53.137 v1@67.412,53.137
  Bottom Layer w0.254: v1(62.408,52.502) 66.853,52.502 v1@67.437,53.086
  other v1: 67.462,53.111
UART_RXD: J2.10 R1.1 U2.24 | length 1
  Top Layer w0.254: R1.1@64.795,55.766 64.846,55.816 64.846,56.544 64.995,56.693
UART_TXD: J2.11 R2.1 U2.25
VBUS: D1.2 D4.1 J1.A4_B9 J1.B4_A9 R9.1 | length 59.4
  Top Layer w0.15: J1.B4_A9@25.6,73.25 25.771,73.421 25.771,75.301 26.669,76.199 29.008,76.199 30.229,74.978 30.229,73.421 J1.A4_B9@30.4,73.25
  Top Layer w0.254: J1.A4_B9@30.4,73.25 30.4,70.858 D4.1@30.48,70.778 31.879,70.778 32.32,70.337 D1.2@34.544,70.337 ; v1(56.032,44.069) 57.188,44.069 R9.1@57.239,44.018
  Top Layer w0.5: D1.2@34.544,70.337 42.82,70.337 46.152,67.005
  Bottom Layer w0.254: v1@56.032,43.942 v1(56.032,44.069)
  Bottom Layer w0.5: v1(46.152,63.678) 46.152,48.285 46.584,47.854 55.753,47.854 56.032,47.574 v1(56.032,44.069)
pads on no net: H1.1 H2.1 H3.1 H4.1 J1. J1.A8 J1.B8 J2.14 J2.15 J7.4 J9.1 J9.2 J9.3 J9.4 S1.2 S1.4 S2.2 S2.4 U1.1 U1.2 U1.10 U1.12 U1.13 U1.14 U1.15 U1.16 U1.17 U1.18 U1.19 U1.20 U1.21 U1.22 U1.23 U1.27 U2.22
copper on no net: | length 25.9
  Top Layer w0.254: v1@38.448,17.722 39.982,17.722 ; v1(40.843,14.656) 42.266,14.656 42.5,14.89 42.5,15.839
  Bottom Layer w0.254: 23.444,19.482 23.927,18.999 29.413,18.999 31.369,17.043 35.458,17.043 36.119,17.704 v1@38.405,17.704 ; v1(38.43,17.704) v1@38.405,17.704 ; v1(40.843,14.656) 38.608,14.656 38.405,14.859 v1@38.405,17.704
  other v1: 69.342,12.675

## Polygon pours and split planes (outlines as drawn)
5V on Top Layer "5V_L01_P016" (solid, remove dead copper, pour order 16): 31.115,65.126 31.115,63.017 31.344,62.789 41.58,62.789 41.758,62.967 41.758,64.135 41.427,64.465 37.617,64.465 36.779,65.303 31.293,65.303
VBUS on Top Layer "VBUS_L01_P015" (solid, remove dead copper, pour order 15): 25.171,72.466 25.197,72.441 25.959,72.441 25.959,75.235 26.721,75.997 28.905,75.997 30.048,74.854 30.048,70.206 30.226,70.028 31.064,70.028 31.369,69.723 31.369,68.707 32.233,67.843 37.516,67.843 37.694,68.021 37.694,71.603 37.186,72.111 31.191,72.111 30.785,72.517 30.785,77.292 30.505,77.572 25.451,77.572 25.171,77.292
NetC15_1 on Top Layer "NETC15_1_L01_P014" (solid, remove dead copper, pour order 14): 122.174,25.248 122.174,21.412 119.71,21.412 119.71,16.891 119.38,16.561 118.237,16.561 118.11,16.434 118.11,14.961 117.881,14.732 117.881,9.169 116.586,7.874 115.773,7.874 115.265,7.366 115.265,-0.025 120.726,-0.025 120.726,6.756 124.231,10.262 124.231,20.015 124.231,25.248
NetC10_1 on Top Layer "NETC10_1_L01_P013" (solid, remove dead copper, pour order 13): 111.76,25.07 111.76,21.539 109.83,21.539 109.83,16.993 109.398,16.561 108.382,16.561 108.077,16.256 108.077,10.744 105.131,7.798 105.131,-0.051 110.871,-0.051 110.871,13.411 113.614,13.411 113.614,25.07
NetC9_1 on Top Layer "NetC11_1" (solid, remove dead copper, pour order 12): 96.106,25.4 96.106,16.662 95.903,16.459 94.48,16.459 94.252,16.231 94.252,11.963 95.293,10.922 95.293,0 99.103,0 99.103,22.911 98.519,23.495 98.519,25.375 98.494,25.4
NetC11_1 on Top Layer "NetC11_1" (solid, remove dead copper, pour order 11): 86.106,25.4 86.106,16.662 85.903,16.459 84.48,16.459 84.252,16.231 84.252,11.963 85.293,10.922 85.293,0 89.103,0 89.103,22.911 88.519,23.495 88.519,25.375 88.494,25.4
12V on Top Layer "12V_L01_P010" (solid, remove dead copper, pour order 10): 114.021,21.438 114.021,13.03 111.277,13.03 111.277,-0.025 111.303,-0.051 114.986,-0.051 114.986,7.468 115.57,8.052 116.383,8.052 117.678,9.347 117.678,14.808 117.881,15.011 117.881,16.612 118.008,16.739 119.202,16.739 119.431,16.967 119.431,21.438
12V on Top Layer "12V_L01_P009" (solid, remove dead copper, pour order 9): 103.988,21.539 103.988,13.335 103.81,13.157 99.492,13.157 99.492,-0.051 99.517,-0.025 104.724,-0.025 104.724,7.95 107.747,10.973 107.747,16.358 108.255,16.866 109.245,16.866 109.576,17.196 109.576,21.539
12V on Top Layer "12V_L01_P008" (solid, remove dead copper, pour order 8): 89.477,21.463 89.477,21.438 89.477,-0.025 94.938,-0.025 94.938,10.871 93.998,11.811 93.998,16.485 94.226,16.713 95.496,16.713 95.7,16.916 95.7,21.438 95.725,21.463
12V on Top Layer "12V_L01_P007" (solid, remove dead copper, pour order 7): 79.477,21.463 79.477,21.438 79.477,-0.025 84.938,-0.025 84.938,10.871 83.998,11.811 83.998,16.485 84.226,16.713 85.496,16.713 85.7,16.916 85.7,21.438 85.725,21.463
3V3 on Top Layer "3V3_L01_P006" (solid, remove dead copper, pour order 6): 50.749,44.399 50.749,43.231 50.317,42.799 50.317,39.675 50.013,39.37 48.082,39.37 47.727,39.014 47.727,28.981 48.489,28.219 54.915,28.219 55.524,28.829 55.524,38.913 54.966,39.472 52.553,39.472 52.324,39.7 52.324,42.52 53.188,43.383 53.188,44.552 50.902,44.552
5V on Top Layer "5V_L01_P005" (solid, remove dead copper, pour order 5): 41.504,39.014 41.3,38.811 41.3,28.118 46.38,28.118 47.269,29.007 47.269,39.395 47.625,39.751 49.657,39.751 49.809,39.903 49.809,42.799 50.444,43.434 50.444,44.425 50.317,44.552 43.917,44.552 43.612,44.247 43.612,39.141 43.485,39.014
5V on Top Layer "5V_L01_P004" (solid, remove dead copper, pour order 4): 37.465,44.272 37.465,42.824 36.855,42.215 36.855,39.192 36.525,38.862 33.35,38.862 33.147,38.659 33.147,28.423 33.477,28.092 41.326,28.092 41.961,28.727 41.961,38.71 41.656,39.014 39.091,39.014 38.684,39.421 38.684,41.986 39.548,42.85 40.044,43.346 40.044,44.45 37.643,44.45
12V on Top Layer "12V_L01_P002" (solid, remove dead copper, pour order 2): 31.902,39.522 32.106,39.319 36.195,39.319 36.398,39.522 36.398,42.393 37.084,43.078 37.084,44.856 36.855,45.085 34.392,45.085 34.214,44.907 32.029,44.907 31.902,44.78
12V on Top Layer "12V_L01_P001" (solid, remove dead copper, pour order 1): 17.247,68.377 17.247,56.54 17.78,56.007 19.355,56.007 25.476,62.128 26.441,62.128 27.28,62.967 27.28,66.853 24.968,69.164 22.377,69.164 18.034,69.164
NetD11_2 on Top Layer "NETD11_2_L01_P000" (solid, remove dead copper, pour order 0): 7.95,67.183 7.95,56.49 8.534,55.905 16.154,55.905 16.764,56.515 16.764,68.402 15.824,69.342 11.887,69.342 9.982,67.437 8.204,67.437

## Silkscreen, mask and mechanical layers (free items; w line width, h text height)
Top Overlay:
  text "12V" at 20.12,76.883 h1 r90
  text "EN" at 40.821,75.054 h1 r90
  text "BOOT" at 90.224,74.317 h1 r90
  text "5V" at 110.969,69.821 h1
  text "12V" at 98.676,69.796 h1
  text "GND" at 115.668,69.796 h1
  text "GND" at 103.654,69.771 h1
  text "GND" at 4.086,61.49 h1
  text "12V" at 23.06,61.135 h1
  text "IOT GreenHouse" at 108.353,57.883 h1.2
  text "V1.0 Rev A" at 110.715,55.445 h1.2
  text "IO2_ADC1_2" at 4.823,50.938 h1
  text "TX" at 123.161,50.873 h1
  text "IO3" at 4.797,48.282 h1
  text "RX" at 123.263,48.231 h1
  text "IO0_ADC1_0" at 4.721,45.909 h1
  text "IO19" at 121.688,45.666 h1
  text "IO1_ADC1_1" at 4.797,43.293 h1
  text "IO18" at 121.714,43.202 h1
  text "IO10" at 4.823,40.84 h1
  text "I09_SCL" at 118.64,40.778 h1
  text "IO4_SCK" at 4.823,38.34 h1
  text "I08_SDA" at 118.513,38.263 h1
  text "IO5_MISO" at 4.848,35.876 h1
  text "GND" at 122.45,35.608 h1
  text "IO6_MOSI" at 4.848,33.209 h1
  text "GND" at 122.476,33.093 h1
  text "IO7_SS" at 4.95,30.491 h1
  text "GND" at 122.425,30.426 h1
  text "5V" at 5.051,27.988 h1
  text "3V3" at 122.501,27.937 h1
  text "5V" at 2.105,20.876 h1
  text "3V3" at 125.778,20.52 h1
  text "V+" at 82.217,13.23 h1
  text "PUMP" at 84.96,13.23 h1
  text "FAN" at 95.475,13.205 h1
  text "V+" at 102.384,13.179 h1
  text "LAMP" at 115.135,13.179 h1
  text "V+" at 92.453,13.154 h1
  text "HEAT" at 105.026,13.154 h1
  text "V+" at 112.493,13.154 h1
  text "3V3" at 30.458,12.214 h1 r90
  text "3V3" at 18.545,12.113 h1 r90
  text "3V3" at 42.574,12.087 h1 r90
  text "SOIL" at 21.587,11.528 h1
  text "AIN" at 28.502,11.528 h1 r90
  text "AIN" at 16.462,11.503 h1 r90
  text "GND" at 26.597,11.478 h1 r90
  text "AIN" at 40.643,11.478 h1 r90
  text "GND" at 14.557,11.452 h1 r90
  text "PH" at 10.893,11.401 h1
  text "GND" at 38.941,11.401 h1 r90
  text "TEMP-HU" at 30.807,11.325 h1
  text "GND" at 53.064,10.487 h1 r90
  text "3V3" at 51.489,10.462 h1 r90
  text "3V3" at 64.494,10.309 h1 r90
  text "SDA" at 70.514,10.309 h1 r90
  text "GND" at 72.546,10.309 h1 r90
  text "BRIG" at 73.708,10.309 h1
  text "CO2" at 56.283,10.284 h1
  text "SCL" at 68.507,10.284 h1 r90
  text "GND" at 66.5,10.233 h1 r90
Board:
  lines w0.2: 0,5 ccw(c5,5) 5,0 125,0 ccw(c125,5) 130,5 130,75 ccw(c125,75) 125,80 72,80 72,73.75 58,73.75 58,80 5,80 ccw(c5,75) 0,75 0,59 0,21 0,5

## Dimensions
0,5 to 130,0 on Drill Drawing
-1,0 to -1,80 on Drill Drawing